# KiCad board ZX Max 128 Issue 3A PCB.kicad_pcb
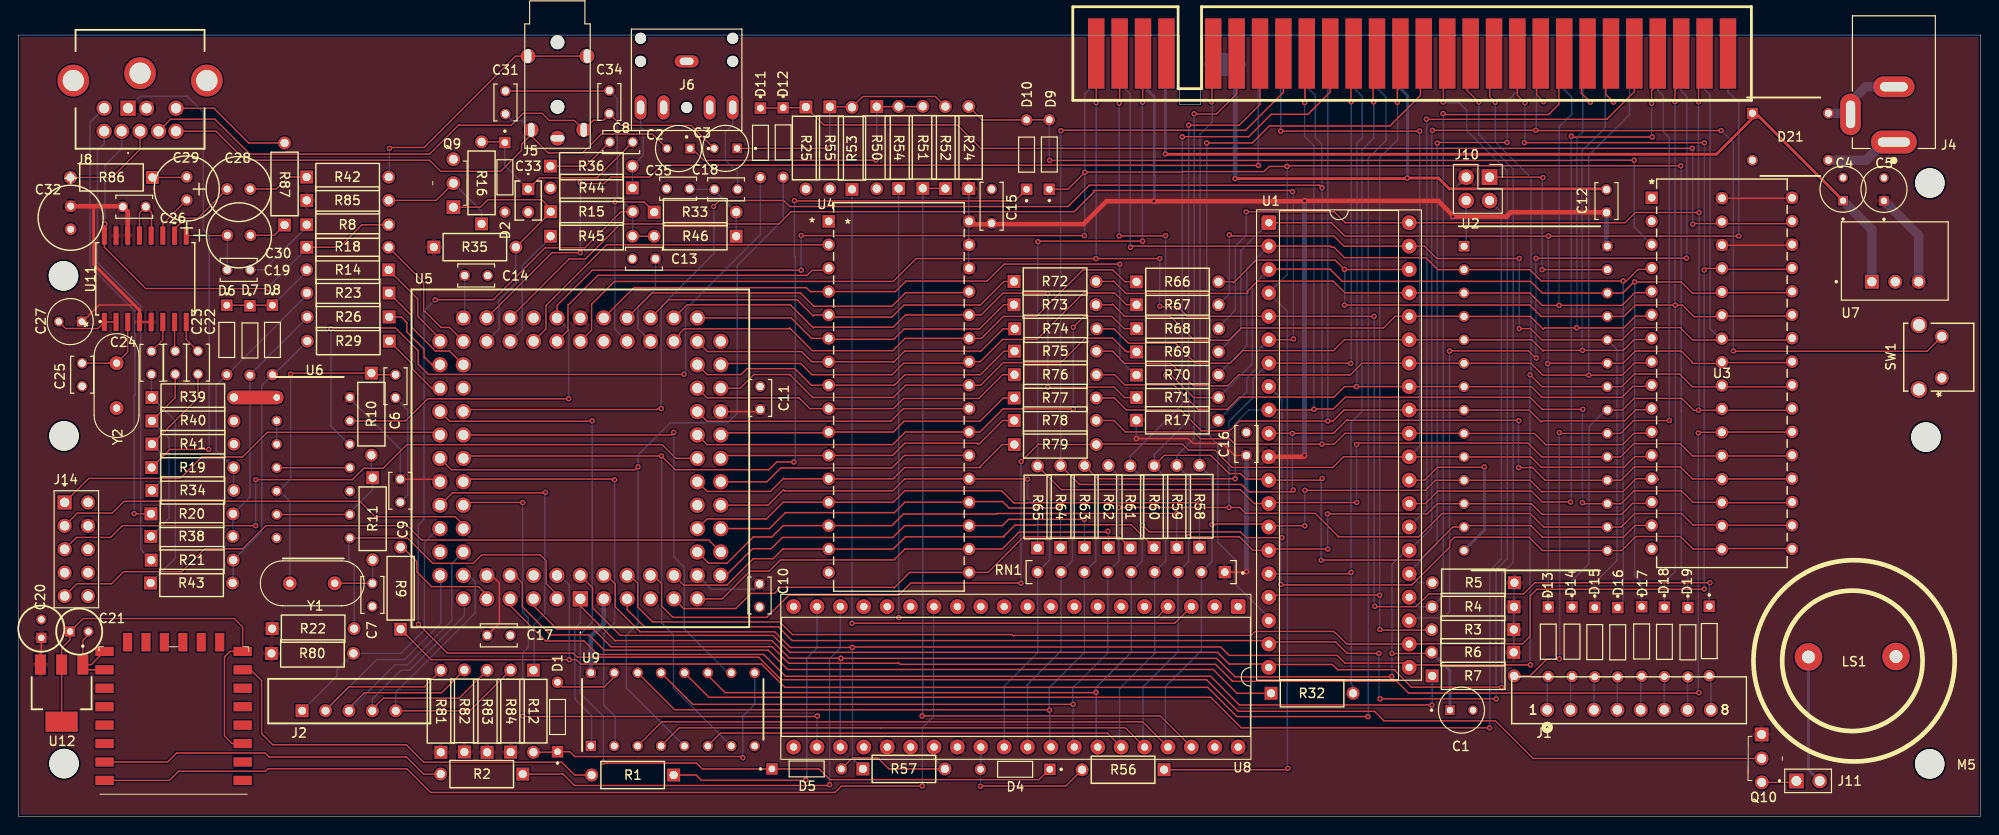
[diagram p0: board, top side]
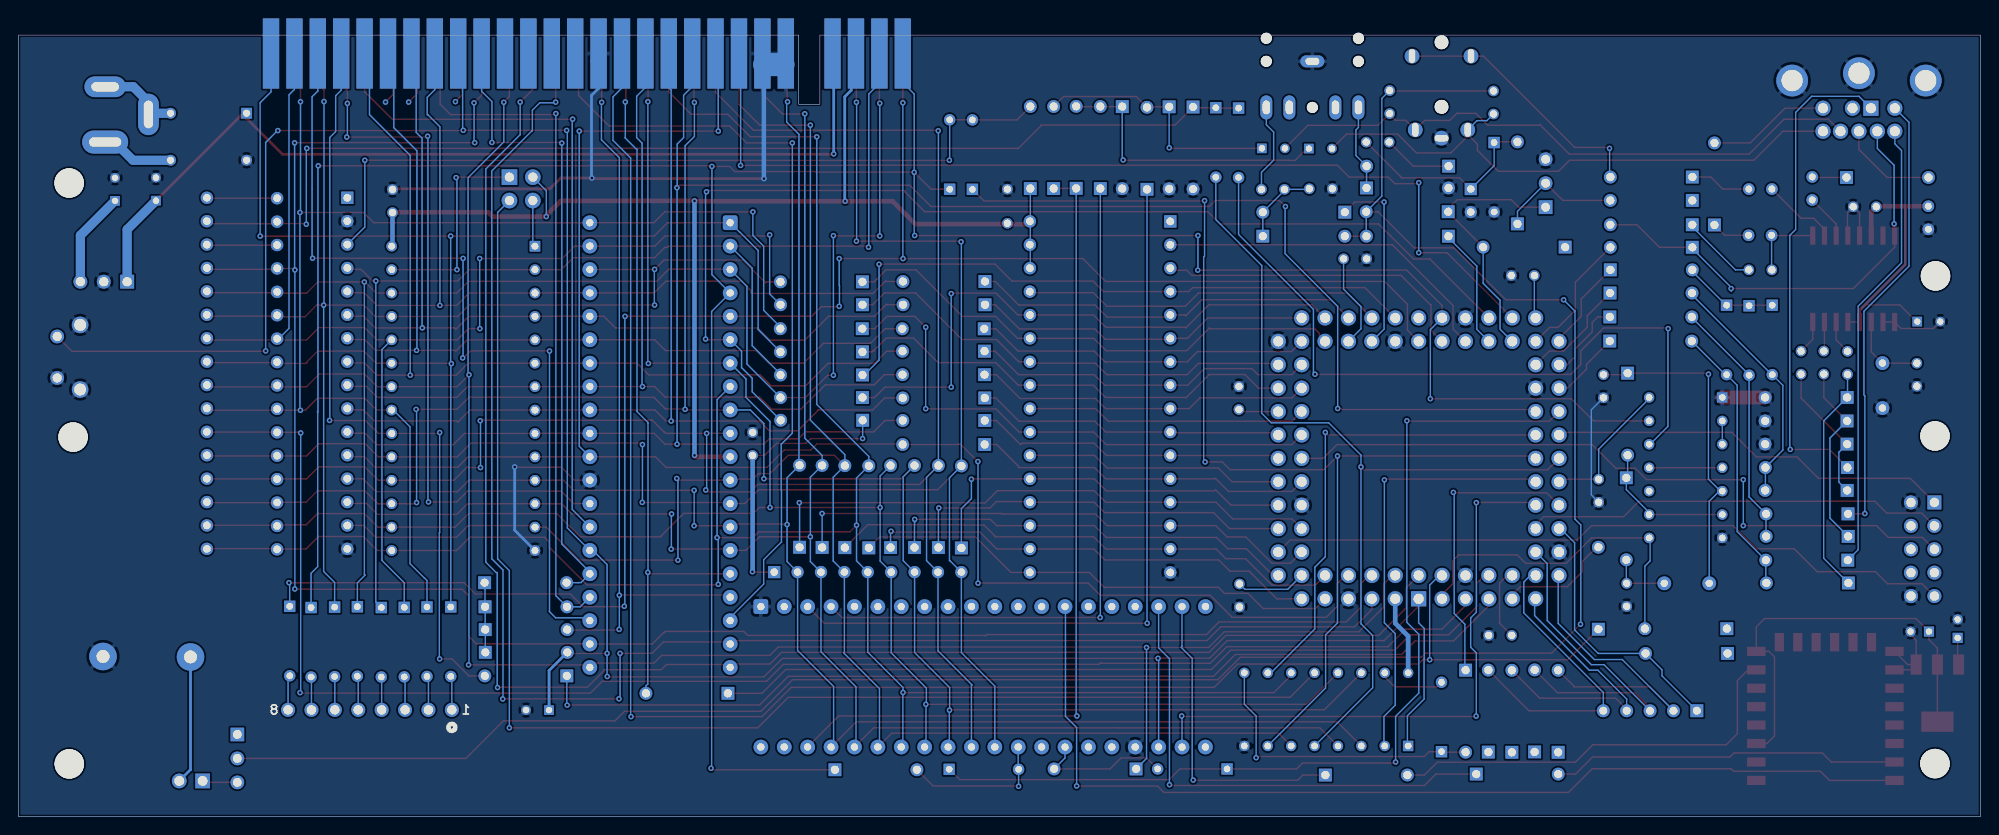
[diagram p1: board, bottom side, seen from below]

Outline 213 x 84.8 mm; copper layers: Top, Bottom. Coordinates in mm from the lower left corner of the outline.
Outline path: 0,84.8 126,84.8 126,77.3 128.3,77.3 128.3,84.8 213,84.8 213,0 0,0 0,84.8
Stack: Top 0.035mm / dielectric 1.51mm FR4 er 4.5 / Bottom 0.035mm

## Placement (name value [footprint] x y rotation side)
C1  10uF 25V  [CAPPRD200W50D500H1100]  156.65 11.55 0 top
C2  10uF 25V  [CAPPRD200W50D500H1100]  71.66 72.49 180 top
C3  10uF 25V  [CAPPRD200W50D500H1100]  76.77 72.51 180 top
C4  10uF 25V  [CAPPRD200W50D500H1100]  198.07 68.08 90 top
C5  22uF 16V  [CAPPRD200W50D500H1100]  202.51 68.06 90 top
C6  27pF  [CAPRB250W50L400T250H550]  40.94 46.7 270 top
C7  27pF  [CAPRB250W50L400T250H550]  38.42 24.06 270 top
C8  100nF  [CAPRB250W50L400T250H550]  65.44 73.19 180 top
C9  100nF  [CAPRB250W50L400T250H550]  41.46 35.36 270 top
C10  100nF  [CAPRB250W50L400T250H550]  80.45 23.99 270 top
C11  100nF  [CAPRB250W50L400T250H550]  80.51 45.42 90 top
C12  100nF  [CAPRB250W50L400T250H550]  172.39 66.79 90 top
C13  100nF  [CAPRB250W50L400T250H550]  67.9 60.53 180 top
C14  100nF  [CAPRB250W50L400T250H550]  49.69 58.71 0 top
C15  100nF  [Capacitor 3.8mm PItch]  105.64 66.23 90 top
C16  100nF  [CAPRB250W50L400T250H550]  133.3 40.44 90 top
C17  100nF  [CAPRB250W50L400T250H550]  52.15 19.66 0 top
C18  100nF  [CAPRB250W50L400T250H550]  76.81 68.06 0 top
C19  3n3 50V  [CAPRB250W50L400T250H550]  23.91 59.33 0 top
C20  10uF 25V  [CAPPRD200W50D500H1100#2]  2.49 19.39 90 top
C21  10uF 25V  [CAPPRD200W50D500H1100#2]  5.6 20.08 0 top
C22  100nF  [CAPRB250W50L400T250H550]  19.49 49.26 90 top
C23  100nF  [CAPRB250W50L400T250H550]  17.02 49.26 90 top
C24  100nF  [CAPRB250W50L400T250H550]  14.44 49.24 90 top
C25  10pF  [CAPRB250W50L400T250H550]  6.91 47.95 270 top
C26  100nF  [CAPRB250W50L400T250H550]  12.58 66.17 0 top
C27  10uF 25V  [CAPPRD200W50D500H1100]  5.63 53.71 180 top
C28  220uF 16V  [CAP_YX_6P3X11_RUB]  22.65 68.1 0 top
C29  220uF 16V  [CAP_YX_6P3X11_RUB]  18.28 66.91 90 top
C30  220uF 16V  [CAP_YX_6P3X11_RUB]  22.69 63.07 0 top
C31  100nF  [CAPRB250W50L400T250H550]  52.87 77.49 270 top
C32  220uF 16V  [CAP_YX_6P3X11_RUB]  5.67 66.23 270 top
C33  10nF 50V  [CAPRB250W50L400T250H550#2]  55.34 68.1 270 top
C34  100nF  [CAPRB250W50L400T250H550]  64.14 77.53 270 top
C35  3n3 50V  [CAPRB250W50L400T250H550]  71.62 68.13 180 top
D1  1N4148  [DIOAD753W49L380D172B]  58.52 10.81 90 top
D2  1N4148  [DIOAD753W49L380D172B]  52.81 69.38 270 top
D4  1N4148  [DIOAD753W49L380D172B]  108.2 5.13 180 top
D5  1N4148  [DIOAD753W49L380D172B]  85.57 5.17 0 top
D6  1N4148  [DIOAD753W49L380D172B]  22.62 51.72 270 top
D7  1N4148  [DIOAD753W49L380D172B]  25.13 51.66 270 top
D8  1N4148  [DIOAD753W49L380D172B]  27.57 51.72 270 top
D9  1N4148  [DIOAD753W49L380D172B]  111.91 71.84 90 top
D10  1N4148  [DIOAD753W49L380D172B]  109.44 71.83 90 top
D11  1N4148  [DIOAD753W49L380D172B]  80.55 73.11 270 top
D12  1N4148  [DIOAD753W49L380D172B]  83.02 73.15 270 top
D13  1N4148  [DIOAD753W49L380D172B]  166.07 18.98 270 top
D14  1N4148  [DIOAD753W49L380D172B]  168.65 18.98 270 top
D15  1N4148  [DIOAD753W49L380D172B]  171.12 18.93 270 top
D16  1N4148  [DIOAD753W49L380D172B]  173.61 18.92 270 top
D17  1N4148  [DIOAD753W49L380D172B]  176.21 19 270 top
D18  1N4148  [DIOAD753W49L380D172B]  178.68 18.96 270 top
D19  1N4148  [DIOAD753W49L380D172B]  181.23 18.92 270 top
D20  1N4148  [DIOAD753W49L380D172B]  183.55 19.05 270 top
D21  DF02M  [DIP825W58P510L832H543Q4N]  192.36 73.77 0 top
J1  8 Pin FFC Connector  [55203155]  165.95 11.58 0 top
J2  5 Pin FFC Connector  [55203155#2]  30.8 11.48 0 top
J3  ZX_48K_EDGE  [ZX_BUS_B_TOP]  142.4 82.8 0 top
J4  PJ-002A  [CUI_PJ-002A]  203.59 73.19 90 top
J5  AV Jack  [PJ-322A]  58.52 86.02 270 top
J6  Connector Audio 3525N  [CUI_SJ1-3525N]  72.54 81.95 180 top
J8  Connector 9 Pin Mini DIN  [KMDGX9SBS1]  11.91 76.87 180 top
J10  Conn_02x02_Odd_Even  [PinHeader_2x02_P2.54mm_Vertical]  159.7 69.39 270 top
J11  CON2  [HARWIN_M20-9990246]  194.27 3.87 0 top
J14  Header 5x2  [AMPHENOL_10129381-910002BLF]  6.29 29.01 270 top
LS1  -  [Speaker]  199.27 17.32 0 top
M1  MountingHole  [MountingHole_3.2mm_M3_DIN965]  4.89 58.67 0 top
M2  MountingHole  [MountingHole_3.2mm_M3_DIN965]  4.95 41.31 0 top
M3  MountingHole  [MountingHole_3.2mm_M3_DIN965]  4.95 5.75 0 top
M4  MountingHole  [MountingHole_3.2mm_M3_DIN965]  207.5 68.75 0 top
M5  MountingHole  [MountingHole_3.2mm_M3_DIN965]  207.48 5.72 0 top
M6  MountingHole  [MountingHole_3.2mm_M3_DIN965]  207.07 41.18 0 top
Q9  Transistor BC548  [BC548BTA]  47.22 66.13 90 top
Q10  Transistor BC548  [BC548BTA]  189.24 8.91 270 top
R1  470R  [STA_CF14_STP]  71.13 4.51 180 top
R2  470R  [STA_CF14_STP]  54.74 4.61 180 top
R3  10K0  [STA_CF14_STP]  162.33 20.29 180 top
R4  10K0  [STA_CF14_STP]  162.35 22.76 180 top
R5  10K0  [STA_CF14_STP]  162.39 25.38 180 top
R6  10K0  [STA_CF14_STP]  162.32 17.82 180 top
R7  470R  [STA_CF14_STP]  153.47 15.27 0 top
R8  2K70  [STA_CF14_STP]  31.29 64.22 0 top
R9  470R  [STA_CF14_STP]  41.49 20.33 90 top
R10  1M00  [STA_CF14_STP]  38.32 48.12 270 top
R11  1K00  [STA_CF14_STP]  38.46 36.76 270 top
R12  470R  [STA_CF14_STP]  55.9 15.89 270 top
R14  68R0  [STA_CF14_STP]  40.19 59.33 180 top
R15  10K0  [STA_CF14_STP]  66.66 68.22 180 top
R16  10K0  [STA_CF14_STP]  50.27 64.32 90 top
R17  4K7  [STA_CF14_STP]  121.35 43 0 top
R18  68R0  [STA_CF14_STP]  31.29 61.77 0 top
R19  150R  [STA_CF14_STP]  14.46 37.87 0 top
R20  150R  [STA_CF14_STP]  14.39 32.85 0 top
R21  150R  [STA_CF14_STP]  14.42 27.82 0 top
R22  4K7  [STA_CF14_STP]  27.54 20.39 0 top
R23  68R0  [STA_CF14_STP]  40.22 56.81 180 top
R24  10K0  [STA_CF14_STP]  103.16 68.15 90 top
R25  10K0  [STA_CF14_STP]  85.49 77 270 top
R26  68R0  [STA_CF14_STP]  40.25 54.22 180 top
R29  68R0  [STA_CF14_STP]  40.26 51.6 180 top
R32  470R  [STA_CF14_STP]  135.98 13.38 0 top
R33  33K0  [STA_CF14_STP]  69.02 65.59 0 top
R34  150R  [STA_CF14_STP]  14.48 35.39 0 top
R35  10K0  [STA_CF14_STP]  45.1 61.8 0 top
R36  470R  [STA_CF14_STP]  57.75 70.58 0 top
R38  150R  [STA_CF14_STP]  14.38 30.41 0 top
R39  75R0  [STA_CF14_STP]  14.48 45.48 0 top
R40  75R0  [STA_CF14_STP]  14.49 42.93 0 top
R41  75R0  [STA_CF14_STP]  14.49 40.42 0 top
R42  75R0  [STA_CF14_STP]  31.29 69.4 0 top
R43  150R  [STA_CF14_STP]  14.35 25.35 0 top
R44  150K  [STA_CF14_STP]  57.79 65.64 0 top
R45  10K0  [STA_CF14_STP]  57.77 62.98 0 top
R46  150K  [STA_CF14_STP]  77.92 62.98 180 top
R50  1K00  [STA_CF14_STP]  95.55 68.15 90 top
R51  2K20  [STA_CF14_STP]  98.17 68.17 90 top
R52  2K20  [STA_CF14_STP]  100.62 68.15 90 top
R53  1K00  [STA_CF14_STP]  90.49 68.07 90 top
R54  1K00  [STA_CF14_STP]  93.17 77.04 270 top
R55  1K00  [STA_CF14_STP]  88.08 77.02 270 top
R56  470R  [STA_CF14_STP]  124.36 5.08 180 top
R57  470R  [STA_CF14_STP]  91.67 5.17 0 top
R58  470R  [STA_CF14_STP]  128.2 29.22 90 top
R59  470R  [STA_CF14_STP]  125.76 29.2 90 top
R60  470R  [STA_CF14_STP]  123.29 29.18 90 top
R61  470R  [STA_CF14_STP]  120.69 29.16 90 top
R62  470R  [STA_CF14_STP]  118.33 29.19 90 top
R63  470R  [STA_CF14_STP]  115.73 29.19 90 top
R64  470R  [STA_CF14_STP]  113.13 29.19 90 top
R65  470R  [STA_CF14_STP]  110.64 29.15 90 top
R66  470R  [STA_CF14_STP]  121.38 58.03 0 top
R67  470R  [STA_CF14_STP]  121.38 55.54 0 top
R68  470R  [STA_CF14_STP]  121.4 52.94 0 top
R69  470R  [STA_CF14_STP]  121.38 50.43 0 top
R70  470R  [STA_CF14_STP]  121.38 47.92 0 top
R71  470R  [STA_CF14_STP]  121.38 45.47 0 top
R72  470R  [STA_CF14_STP]  108.08 58.07 0 top
R73  470R  [STA_CF14_STP]  108.07 55.54 0 top
R74  470R  [STA_CF14_STP]  108.15 52.93 0 top
R75  470R  [STA_CF14_STP]  108.13 50.5 0 top
R76  470R  [STA_CF14_STP]  108.13 47.95 0 top
R77  470R  [STA_CF14_STP]  108.1 45.42 0 top
R78  470R  [STA_CF14_STP]  108.1 42.98 0 top
R79  470R  [STA_CF14_STP]  108.11 40.37 0 top
R80  10K0  [STA_CF14_STP]  27.47 17.71 0 top
R81  10K0  [STA_CF14_STP]  45.86 6.97 90 top
R82  10K0  [STA_CF14_STP]  48.41 7.02 90 top
R83  10K0  [STA_CF14_STP]  50.88 6.97 90 top
R84  10K0  [STA_CF14_STP]  53.44 7 90 top
R85  470K  [STA_CF14_STP]  31.29 66.86 0 top
R86  75R0  [STA_CF14_STP]  14.55 69.35 180 top
R87  75R0  [STA_CF14_STP]  28.89 64.2 90 top
RN1  10K  [SIP249W50P254L2281H508Q9]  120.8 26.53 180 top
SW1  Switch 6x6 RA  [SW2_1825027-G_TEC]  208.79 47.6 90 top
U1  Z80  [Z80_Socket]  135.73 64.44 0 top
U2  EEPROM/EPROM 32Kx8  [DIP1556W56P254L3702H483Q28N]  164.71 45.38 0 top
U3  AS6C1008-55PCN  [U3]  177.3 67.15 0 top
U4  AS6C1008-55PCN  [PDIP-32_MIL600_ALL]  87.96 64.59 0 top
U5  EPM7128SLC  [PLCC84AT]  61 23.63 180 top
U6  74HC04  [DIP794W53P254L1930H508Q14N]  32.01 37.86 0 top
U7  R-78E5.0-1.0  [CONV_R-78E5.0-1.0]  203.74 60.29 0 top
U8  AY-3-8910  [Z80_Socket]  132.41 22.79 270 top
U9  SN74HC174N  [DIP794W53P254L1930H508Q16N]  71.03 11.63 90 top
U11  AD724JRZ  [RW_16_ADI]  13.77 58.36 90 top
U12  3V3 1Amp  [SOT230P700X185-4N]  4.69 13.39 270 top
U15  ESP8266-12E  [WIFI_Module_ESP8266_12E]  16.85 -4.58 180 top
Y1  28.375Mhz  [Crystal_HC49-4H_Vertical]  29.46 25.31 0 top
Y2  4.433Mhz  [Crystal_HC49-4H_Vertical]  10.65 49.21 270 top

## Library data of the parts
C1-C5 C20 C21 C27 = -: Datasheet: https://www.digikey.com/en/datasheets/panasonic-electronic-components/panasonic-electronic-components-ecaxxm-series-type-a; Description: ECA-1EM100B - 10uF Aluminum Electrolytic Capacitors Radial; Height: 11; Mouser Part Number: 667-ECA-1EM100B; Mouser Price/Stock: https://www.mouser.co.uk/ProductDetail/Panasonic/ECA-1EM100B?qs=rMMd5vBiahrNyc2p3snNiw%3D%3D; Manufacturer_Name: Panasonic; Manufacturer_Part_Number: ECA-1EM100B
C6 C7 = -: PARTREV: 20200310; STANDARD: IPC-7351B; MAXIMUM_PACKAGE_HEIGHT: 0.0 mm; MANUFACTURER: TDK
C8-C19 C22-C26 C31 C33-C35 = -: Description: Vishay K 100nF Ceramic Multilayer Capacitor, 100 V dc, +85C, Y5V Dielectric, +80 %, -20 %; Mouser Part Number: 594-K104Z15Y5VF5TL2; Mouser Price/Stock: https://www.mouser.co.uk/ProductDetail/Vishay-BC-Components/K104Z15Y5VF5TL2?qs=8fb2TFeI5qG%252BXNQE4bq55w%3D%3D; Manufacturer_Name: Vishay; Manufacturer_Part_Number: K104Z15Y5VF5TL2
C28-C30 C32 = -: Datasheet: 16YXJ220MT16.3X11; ki_fp_filters: CAP_YX_6P3X11_RUB
D1 D2 D4-D20 = -: Description: Diode 1N4148; PARTREV: 5; MANUFACTURER: Onsemi; MAXIMUM_PACKAGE_HEIGHT: 1.91mm; STANDARD: IPC-7351B
D21 = -: Datasheet: https://www.diodes.com/assets/Datasheets/ds21201.pdf; Description: Bridge Rectifier DF02M 1A; Height: 5.43; Mouser Part Number: 621-DF02M; Mouser Price/Stock: https://www.mouser.co.uk/ProductDetail/Diodes-Incorporated/DF02M?qs=mQbszxtPdlMcvd0LFHMT9A%3D%3D; Manufacturer_Name: Diodes Incorporated
J1 = -: Datasheet: 5-520315-8; Description: Connector FFC Socket 8 Pin
J2 = -: Datasheet: https://www.te.com/commerce/DocumentDelivery/DDEController?Action=srchrtrv&DocNm=520315&DocType=Customer+Drawing&DocLang=English; Description: Connector FFC Socket 5 Pin; Height: 6.93; Mouser Part Number: 571-5-520315-5; Mouser Price/Stock: https://www.mouser.co.uk/ProductDetail/TE-Connectivity-AMP/5-520315-5?qs=lnVw2K6okulEar%252B9RND0yA%3D%3D; Manufacturer_Name: TE Connectivity; Manufacturer_Part_Number: 5-520315-5
J3 = -: Description: ZX Spectrum 48K Edge Connector
J4 = -: MANUFACTURER: CUI INC; STANDARD: Manufacturer recommendations
J5 = -: Description: AV Jack PJ-322
J8 = -: Description: Connector 9 Pin MiniDin
J10 = -: Description: Generic connector, double row, 02x02, odd/even pin numbering scheme (row 1 odd numbers, row 2 even numbers), script generated (kicad-library-utils/schlib/autogen/connector/); ki_fp_filters: Connector*:*_2x??_*
J11 = -: Description: Header 2x1; PARTREV: 14; STANDARD: Manufacturer Recommendations; MAXIMUM_PACKAGE_HEIGHT: 9.64mm; MANUFACTURER: Harwin
J14 = -: PARTREV: D; MANUFACTURER: Amphenol ICC (FCI); STANDARD: Manufacturer Recommendations
M1-M6 = -: Description: Mounting Hole without connection; ki_fp_filters: MountingHole*
R1 R2 R7 R9 R12 R32 R36 R56-R79 = -: Datasheet: CF14JT470R
R3-R6 R15 R16 R24 R25 R35 R80-R84 = -: Datasheet: CF14JT10K0; Description: Resistor 10K0
R8 = -: Datasheet: CF14JT2K70
R10 = -: Datasheet: CF14JT1M00
R11 R50 R53-R55 = -: Datasheet: CF14JT1K00
R14 R18 R23 R26 R29 = -: Datasheet: CF14JT68R0
R17 = -: Datasheet: CF14JT470K; Description: 470K
R19-R21 R34 R38 R43 = -: Datasheet: CF14JT150R
R22 = -: Datasheet: CF14JT4K70; Description: 4K70
R33 = -: Datasheet: CF14JT33K0
R39-R42 R86 R87 = -: Datasheet: CF14JT75R0
R44 R46 = -: Datasheet: CF14JT150K
R45 = -: Datasheet: CF14JT10K0
R51 R52 = -: Datasheet: CF14JT2K20
R85 = -: Datasheet: CF14JT470K
RN1 = -: PARTREV: 10/1/20; MANUFACTURER: Bourns; MAXIMUM_PACKAGE_HEIGHT: 5.08 mm; STANDARD: IPC 7351B
U1 = -: Description: Z80 CPU; MANUFACTURER_NAME: Zilog
U2 = -: Height: 4.826; Mouser Part Number: 556-AT27C256R-45PU; Mouser Price/Stock: https://www.mouser.co.uk/ProductDetail/Microchip-Technology/AT27C256R-45PU?qs=lURXKZrvvXffwVd4jEFg7Q%3D%3D; Manufacturer_Name: Microchip; Manufacturer_Part_Number: AT27C256R-45PU
U5 = -: Description: EPM7128SLC-84 PLCC Socket
U6 = -: Description: Hex Inverter
U7 = -: PARTREV: 6; STANDARD: Manufacturer Recommendations; MAXIMUM_PACKAGE_HEIGHT: 10.40mm; MANUFACTURER: RECOM
U9 = -: Datasheet: http://www.ti.com/lit/gpn/sn74hc174; Description: Hex D flip-flop w/reset,SN74HC174N DIP16; Height: 5.08; Mouser Part Number: 595-SN74HC174N; Mouser Price/Stock: https://www.mouser.co.uk/ProductDetail/Texas-Instruments/SN74HC174N?qs=WzgTT80quPESxW4d5rzR1w%3D%3D; Manufacturer_Name: Texas Instruments
U11 = -: Description: RGB - PAL Encoder
U12 = -: Description: Voltage Regulator 3V3 1Amp
U15 = -: Description: ESP8266-12E Bluetooth Module
Y1 Y2 = -: Description: Two pin crystal; ki_fp_filters: Crystal*

## Footprints (pads in the part's own frame, mm; a bottom-side part is the same pattern mirrored in y, then rotated)
55203155
  round 1.524 hole 1.016: 1(0,0) 2(2.54,0) 3(5.08,0) 4(7.62,0) 5(10.16,0) 6(12.7,0) 7(15.24,0) 8(17.78,0)
55203155#2
  rect 1.403x1.403 hole 0.864: 1(0,0)
  round 1.403 hole 0.864: 2(2.54,0) 3(5.08,0) 4(7.62,0) 5(10.16,0)
AMPHENOL_10129381-910002BLF
  rect 1.53x1.53 hole 1.02: 01(-5.08,-1.27)
  round 1.53 hole 1.02: 02(-5.08,1.27) 03(-2.54,-1.27) 04(-2.54,1.27) 05(0,-1.27) 06(0,1.27) 07(2.54,-1.27) 08(2.54,1.27) 09(5.08,-1.27) 10(5.08,1.27)
BC548BTA
  rect 1.493x1.493 hole 0.96: 1(0,0)
  round 1.493 hole 0.96: 2(2.6,0) 3(5.2,0)
CAP_YX_6P3X11_RUB
  round 1.27 hole 0.762: 1(0,0) 2(2.5,0)
Capacitor 3.8mm PItch
  round 1.15 hole 0.8: 1(-1.85,0) 2(1.85,0)
CAPPRD200W50D500H1100
  rect 1.05x1.05 hole 0.7: 1(-1.25,0)
  round 1.05 hole 0.7: 2(1.25,0)
CAPPRD200W50D500H1100#2
  rect 1.1x1.1 hole 0.7: 1(0,0)
  round 1.1 hole 0.7: 2(2,0)
CAPRB250W50L400T250H550
  round 1.15 hole 0.8: 1(-1.25,0) 2(1.25,0)
CAPRB250W50L400T250H550#2
  rect 1.321x1.321 hole 0.813: 1(0,0)
  round 1.321 hole 0.813: 2(2.5,0)
CONV_R-78E5.0-1.0
  rect 1.508x1.508 hole 1: 1(-2.54,-2.25)
  round 1.508 hole 1: 2(0,-2.25) 3(2.54,-2.25)
Crystal_HC49-4H_Vertical
  round 1.5 hole 0.8: 1(0,0) 2(4.88,0)
CUI_PJ-002A
  oval 2.5x5 hole 1x3.5: 1(0,0)
  oval 2.25x4.5 hole 1x3: 2(6,0)
  oval 4.5x2.25 hole 3x1: 3(3,4.7)
CUI_SJ1-3525N
  round 1.2 hole 1.2 unplated: (-5,0) (-5,-2.5) (0,5) (5,0) (5,-2.5)
  oval 2.616x1.308 hole 1.5x0.8: 1(0,0)
  oval 1.308x2.616 hole 0.8x1.5: 2(5,5) 3(2.5,5) 4(-2.5,5) 5(-5,5)
DIOAD753W49L380D172B
  round 1.238 hole 0.73: A(3.768,0)
  rect 1.238x1.238 hole 0.73: K(-3.768,0)
DIP794W53P254L1930H508Q14N
  rect 1.13x1.13 hole 0.73: 1(-3.97,7.62)
  round 1.13 hole 0.73: 2(-3.97,5.08) 3(-3.97,2.54) 4(-3.97,0) 5(-3.97,-2.54) 6(-3.97,-5.08) 7(-3.97,-7.62) 8(3.97,-7.62) 9(3.97,-5.08) 10(3.97,-2.54) 11(3.97,0) 12(3.97,2.54) 13(3.97,5.08) 14(3.97,7.62)
DIP794W53P254L1930H508Q16N
  rect 1.13x1.13 hole 0.73: 1(-3.97,8.89)
  round 1.13 hole 0.73: 2(-3.97,6.35) 3(-3.97,3.81) 4(-3.97,1.27) 5(-3.97,-1.27) 6(-3.97,-3.81) 7(-3.97,-6.35) 8(-3.97,-8.89) 9(3.97,-8.89) 10(3.97,-6.35) 11(3.97,-3.81) 12(3.97,-1.27) 13(3.97,1.27) 14(3.97,3.81) 15(3.97,6.35) 16(3.97,8.89)
DIP825W58P510L832H543Q4N
  rect 1.18x1.18 hole 0.78: 1(-4.125,2.55)
  round 1.18 hole 0.78: 2(-4.125,-2.55) 3(4.125,-2.55) 4(4.125,2.55)
DIP1556W56P254L3702H483Q28N
  rect 1.159x1.159 hole 0.759: 1(-7.779,16.51)
  round 1.159 hole 0.759: 2(-7.779,13.97) 3(-7.779,11.43) 4(-7.779,8.89) 5(-7.779,6.35) 6(-7.779,3.81) 7(-7.779,1.27) 8(-7.779,-1.27) 9(-7.779,-3.81) 10(-7.779,-6.35) 11(-7.779,-8.89) 12(-7.779,-11.43) 13(-7.779,-13.97) 14(-7.779,-16.51) 15(7.779,-16.51) 16(7.779,-13.97) 17(7.779,-11.43) 18(7.779,-8.89) 19(7.779,-6.35) 20(7.779,-3.81) 21(7.779,-1.27) 22(7.779,1.27) 23(7.779,3.81) 24(7.779,6.35) 25(7.779,8.89) 26(7.779,11.43) 27(7.779,13.97) 28(7.779,16.51)
HARWIN_M20-9990246
  rect 1.605x1.605 hole 1.07: 1(-1.27,0)
  round 1.605 hole 1.07: 2(1.27,0)
KMDGX9SBS1
  rect 1.65x1.65 hole 1.1: 1(0,0)
  round 1.65 hole 1.1: 2(-2,0) 3(2.6,0) 4(0.7,2.5) 5(-1.3,2.5) 6(-5.2,0) 7(2.6,2.5) 8(-3.3,2.5) 9(-5.2,2.5)
  round 3.45 hole 2.3: 10(5.95,-3) 11(-1.3,-3.8) 12(-8.55,-3)
MountingHole_3.2mm_M3_DIN965
  round 3.2 hole 3.2 unplated: (0,0)
PDIP-32_MIL600_ALL
  rect 1.346x1.346 hole 0.838: 1(0,0)
  round 1.346 hole 0.838: 2(0,-2.54) 3(0,-5.08) 4(0,-7.62) 5(0,-10.16) 6(0,-12.7) 7(0,-15.24) 8(0,-17.78) 9(0,-20.32) 10(0,-22.86) 11(0,-25.4) 12(0,-27.94) 13(0,-30.48) 14(0,-33.02) 15(0,-35.56) 16(0,-38.1) 17(15.24,-38.1) 18(15.24,-35.56) 19(15.24,-33.02) 20(15.24,-30.48) 21(15.24,-27.94) 22(15.24,-25.4) 23(15.24,-22.86) 24(15.24,-20.32) 25(15.24,-17.78) 26(15.24,-15.24) 27(15.24,-12.7) 28(15.24,-10.16) 29(15.24,-7.62) 30(15.24,-5.08) 31(15.24,-2.54) 32(15.24,0)
PinHeader_2x02_P2.54mm_Vertical
  rect 1.7x1.7 hole 1: 1(0,0)
  round 1.7 hole 1: 2(2.54,0) 3(0,-2.54) 4(2.54,-2.54)
PJ-322A
  round 1.5 hole 1.5 unplated: (2,0) (9,0)
  round 1.6 hole 0.7x1.5: 1(12.4,0)
  round 1.6 hole 1.5x0.7: 2(11.5,2.85) 3(3.5,3.2) 3(3.5,-3.2) 4(11.5,-2.85)
PLCC84AT
  rect 1.65x1.65 hole 1.1: 1(0,0)
  round 1.65 hole 1.1: 2(0,-2.54) 3(-2.54,0) 4(-2.54,-2.54) 5(-5.08,0) 6(-5.08,-2.54) 7(-7.62,0) 8(-7.62,-2.54) 9(-10.16,0) 10(-10.16,-2.54) 11(-12.7,0) 12(-15.24,-2.54) 13(-12.7,-2.54) 14(-15.24,-5.08) 15(-12.7,-5.08) 16(-15.24,-7.62) 17(-12.7,-7.62) 18(-15.24,-10.16) 19(-12.7,-10.16) 20(-15.24,-12.7) 21(-12.7,-12.7) 22(-15.24,-15.24) 23(-12.7,-15.24) 24(-15.24,-17.78) 25(-12.7,-17.78) 26(-15.24,-20.32) 27(-12.7,-20.32) 28(-15.24,-22.86) 29(-12.7,-22.86) 30(-15.24,-25.4) 31(-12.7,-25.4) 32(-15.24,-27.94) 33(-12.7,-30.48) 34(-12.7,-27.94) 35(-10.16,-30.48) 36(-10.16,-27.94) 37(-7.62,-30.48) 38(-7.62,-27.94) 39(-5.08,-30.48) 40(-5.08,-27.94) 41(-2.54,-30.48) 42(-2.54,-27.94) 43(0,-30.48) 44(0,-27.94) 45(2.54,-30.48) 46(2.54,-27.94) 47(5.08,-30.48) 48(5.08,-27.94) 49(7.62,-30.48) 50(7.62,-27.94) 51(10.16,-30.48) 52(10.16,-27.94) 53(12.7,-30.48) 54(15.24,-27.94) 55(12.7,-27.94) 56(15.24,-25.4) 57(12.7,-25.4) 58(15.24,-22.86) 59(12.7,-22.86) 60(15.24,-20.32) 61(12.7,-20.32) 62(15.24,-17.78) 63(12.7,-17.78) 64(15.24,-15.24) 65(12.7,-15.24) 66(15.24,-12.7) 67(12.7,-12.7) 68(15.24,-10.16) 69(12.7,-10.16) 70(15.24,-7.62) 71(12.7,-7.62) 72(15.24,-5.08) 73(12.7,-5.08) 74(15.24,-2.54) 75(12.7,0) 76(12.7,-2.54) 77(10.16,0) 78(10.16,-2.54) 79(7.62,0) 80(7.62,-2.54) 81(5.08,0) 82(5.08,-2.54) 83(2.54,0) 84(2.54,-2.54)
RW_16_ADI
  rect 1.981x0.559 smd: 1(-4.686,4.445) 2(-4.686,3.175) 3(-4.686,1.905) 4(-4.686,0.635) 5(-4.686,-0.635) 6(-4.686,-1.905) 7(-4.686,-3.175) 8(-4.686,-4.445) 9(4.686,-4.445) 10(4.686,-3.175) 11(4.686,-1.905) 12(4.686,-0.635) 13(4.686,0.635) 14(4.686,1.905) 15(4.686,3.175) 16(4.686,4.445)
SIP249W50P254L2281H508Q9
  rect 1.328x1.328 hole 0.82: 1(-10.16,0)
  round 1.328 hole 0.82: 2(-7.62,0) 3(-5.08,0) 4(-2.54,0) 5(0,0) 6(2.54,0) 7(5.08,0) 8(7.62,0) 9(10.16,0)
SOT230P700X185-4N
  rect 2.2x1.2 smd: 1(-3.1,2.3) 2(-3.1,0) 3(-3.1,-2.3)
  rect 2.2x3.5 smd: 4(3.1,0)
Speaker
  round 3 hole 1.4: 1(-4.95,0) 2(4.55,0.05)
STA_CF14_STP
  rect 1.397x1.397 hole 0.889: 1(0,0)
  round 1.397 hole 0.889: 2(8.9,0)
SW2_1825027-G_TEC
  round 1.499 hole 0.991: 1(0,0) 2(4.5,0)
  round 1.803 hole 1.295: 3(-1.255,2.49) 4(5.755,2.49)
U3
  rect 1.346x1.346 hole 0.838: 1(0,0)
  round 1.346 hole 0.838: 2(0,-2.54) 3(0,-5.08) 4(0,-7.62) 5(0,-10.16) 6(0,-12.7) 7(0,-15.24) 8(0,-17.78) 9(0,-20.32) 10(0,-22.86) 11(0,-25.4) 12(0,-27.94) 13(0,-30.48) 14(0,-33.02) 15(0,-35.56) 16(0,-38.1) 17(7.62,-38.15) 17(15.24,-38.1) 18(7.62,-35.61) 18(15.24,-35.56) 19(7.62,-33.07) 19(15.24,-33.02) 20(7.62,-30.53) 20(15.24,-30.48) 21(7.62,-27.99) 21(15.24,-27.94) 22(7.62,-25.45) 22(15.24,-25.4) 23(7.62,-22.91) 23(15.24,-22.86) 24(7.62,-20.37) 24(15.24,-20.32) 25(7.62,-17.83) 25(15.24,-17.78) 26(7.62,-15.29) 26(15.24,-15.24) 27(7.62,-12.75) 27(15.24,-12.7) 28(7.62,-10.21) 28(15.24,-10.16) 29(7.62,-7.67) 29(15.24,-7.62) 30(7.62,-5.13) 30(15.24,-5.08) 31(7.62,-2.59) 31(15.24,-2.54) 32(7.62,-0.05) 32(15.24,0)
WIFI_Module_ESP8266_12E
  rect 2x1 smd: 1(-7.5,-8.5) 2(-7.5,-10.5) 3(-7.5,-12.5) 4(-7.5,-14.5) 5(-7.5,-16.5) 6(-7.5,-18.5) 7(-7.5,-20.5) 8(-7.5,-22.5) 15(7.5,-22.5) 16(7.5,-20.5) 17(7.5,-18.5) 18(7.5,-16.5) 19(7.5,-14.5) 20(7.5,-12.5) 21(7.5,-10.5) 22(7.5,-8.5)
  rect 1x2 smd: 9(-5,-23.5) 10(-3,-23.5) 11(-1,-23.5) 12(1,-23.5) 13(3,-23.5) 14(5,-23.5)
Z80_Socket
  rrect 1.6x1.6 hole 0.8: 1(0,0)
  round 1.6 hole 0.8: 2(0,-2.54) 3(0,-5.08) 4(0,-7.62) 5(0,-10.16) 6(0,-12.7) 7(0,-15.24) 8(0,-17.78) 9(0,-20.32) 10(0,-22.86) 11(0,-25.4) 12(0,-27.94) 13(0,-30.48) 14(0,-33.02) 15(0,-35.56) 16(0,-38.1) 17(0,-40.64) 18(0,-43.18) 19(0,-45.72) 20(0,-48.26) 21(15.24,-48.26) 22(15.24,-45.72) 23(15.24,-43.18) 24(15.24,-40.64) 25(15.24,-38.1) 26(15.24,-35.56) 27(15.24,-33.02) 28(15.24,-30.48) 29(15.24,-27.94) 30(15.24,-25.4) 31(15.24,-22.86) 32(15.24,-20.32) 33(15.24,-17.78) 34(15.24,-15.24) 35(15.24,-12.7) 36(15.24,-10.16) 37(15.24,-7.62) 38(15.24,-5.08) 39(15.24,-2.54) 40(15.24,0)
ZX_BUS_B_TOP
  rect 1.778x7.62 smd far side: A1(-25.4,0) A2(-22.86,0) A3(-20.32,0) A4(-17.78,0) A6(-12.7,0) A7(-10.16,0) A8(-7.62,0) A9(-5.08,0) A10(-2.54,0) A11(0,0) A12(2.54,0) A13(5.08,0) A14(7.62,0) A15(10.16,0) A16(12.7,0) A17(15.24,0) A18(17.78,0) A19(20.32,0) A20(22.86,0) A21(25.4,0) A22(27.94,0) A23(30.48,0) A24(33.02,0) A25(35.56,0) A26(38.1,0) A27(40.64,0) A28(43.18,0)